# KiCad board SimulTypeUltraSemiMag.kicad_pcb (continued)
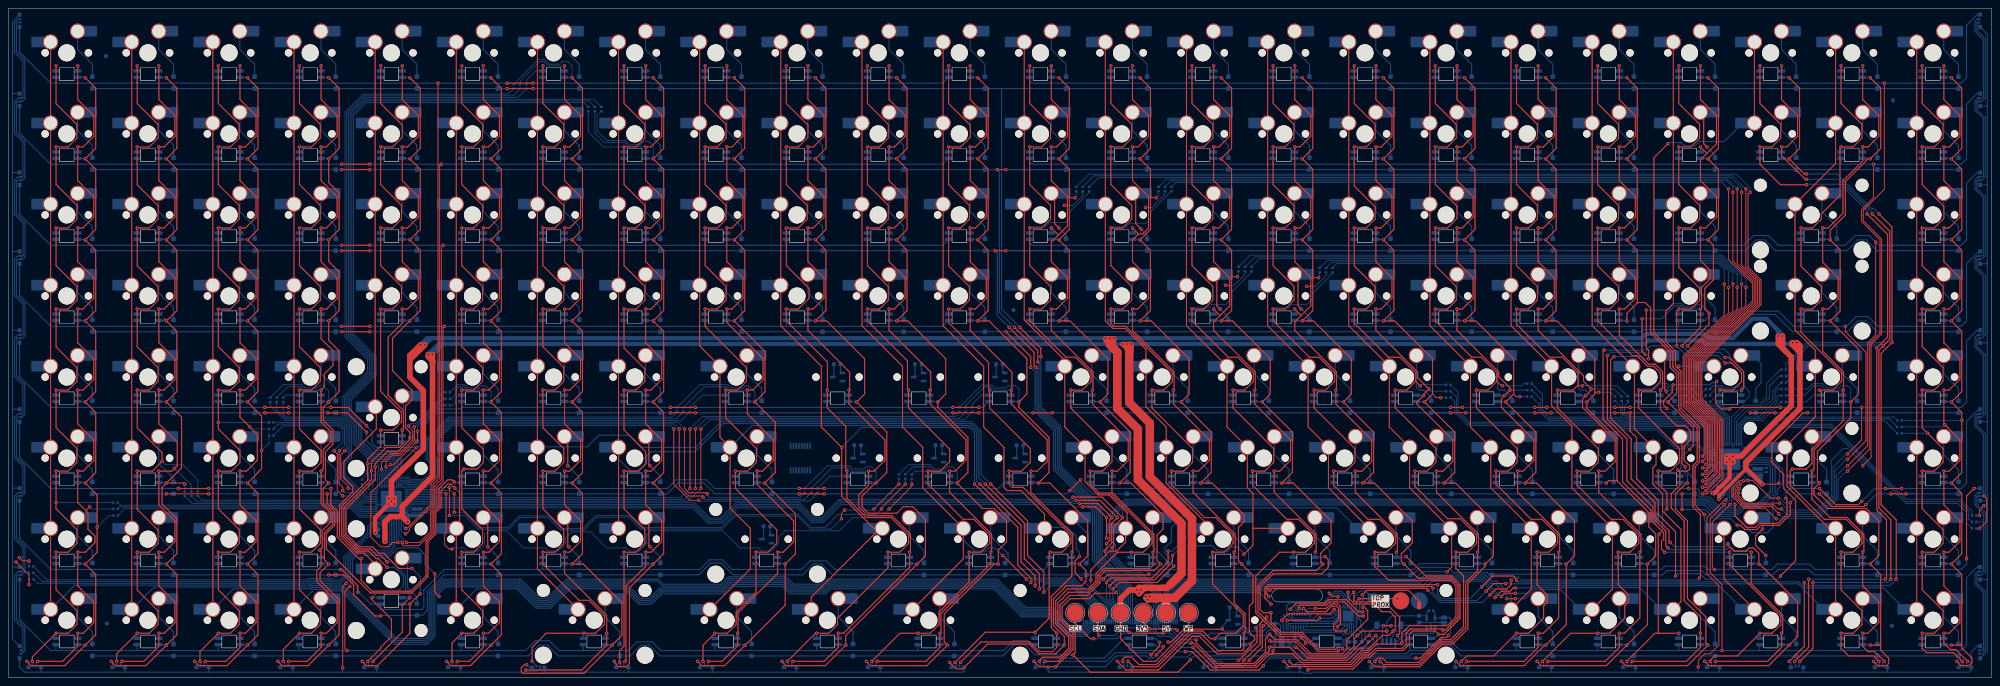
[diagram p0: board, top side]
## Nets
+3.3V: C3.1 C4.1 C14.1 C15.1 C16.1 C17.1 C18.1 C19.1 C20.1 C21.1 C22.1 C23.1 J1.28 J5.2 R100.1 TP2.1 U1.10 U1.12 U2.7 U3.4 U6.1 U7.16 U8.1 U9.1 U10.1 U11.1 U12.1 U13.1 U14.1
+5V: C6.1 C7.1 C8.1 C9.1 C10.1 C11.1 C12.1 C13.1 J1.29 J1.30 J1.31 TP1.1 U4.14 U4.15 U4.25 U5.8 U5.14 U5.15 U5.25
GND: C1.2 C3.2 C4.2 C5.1 C6.2 C7.2 C8.2 C9.2 C10.2 C11.2 C12.2 C13.2 C14.2 C15.2 C16.2 C17.2 C18.2 C19.2 C20.2 C21.2 C22.2 C23.2 J1.25 J1.26 J1.27 J5.1 J5.MP JP1.2 R101.1 R102.2 TP6.1 U1.6 U1.13 U2.8 U2.25 U3.2 U4.8 U4.12 U4.36 U4.55 U4.EP U5.12 U5.36 U5.55 U5.EP U6.3 U7.9 U7.11 U7.12 U7.13 U8.3 U9.3 U10.3 U11.3 U12.3 U13.3 U14.3
/AC1: C2.1 J2.8 U1.4
/AC2: C2.2 J2.10 U1.5
/APACLK: J1.32
/APANEODAT: J1.33
/B1c: LED181.3 LED182.3 LED183.3 LED184.3 LED185.3 LED186.3 LED187.3 LED188.3 LED189.3 R53.1
/B2c: LED1.3 LED25.3 LED49.3 LED72.3 LED95.3 LED118.3 LED139.3 LED161.3 LED190.3 R54.1
/B3c: LED2.3 LED26.3 LED50.3 LED73.3 LED96.3 LED119.3 LED140.3 LED162.3 LED191.3 R55.1
/B4c: LED3.3 LED27.3 LED51.3 LED74.3 LED97.3 LED120.3 LED141.3 LED163.3 LED192.3 R56.1
/B5c: LED4.3 LED28.3 LED52.3 LED75.3 LED98.3 LED121.3 LED142.3 LED164.3 LED193.3 R57.1
/B6c: LED5.3 LED29.3 LED53.3 LED76.3 LED99.3 LED143.3 LED194.3 R58.1
/B7c: LED6.3 LED30.3 LED54.3 LED77.3 LED100.3 LED122.3 LED144.3 LED165.3 LED195.3 R59.1
/B8c: LED7.3 LED31.3 LED55.3 LED78.3 LED101.3 LED123.3 LED145.3 LED166.3 LED196.3 R60.1
/B9c: LED8.3 LED32.3 LED56.3 LED79.3 LED102.3 LED124.3 LED146.3 LED197.3 R61.1
/B10c: LED9.3 LED33.3 LED57.3 LED80.3 LED103.3 LED125.3 LED147.3 LED167.3 LED198.3 R62.1
/B11c: LED10.3 LED34.3 LED58.3 LED81.3 LED104.3 LED126.3 LED148.3 LED168.3 LED199.3 R63.1
/B12c: LED11.3 LED35.3 LED59.3 LED82.3 LED105.3 LED127.3 LED149.3 LED169.3 LED200.3 R64.1
/B13c: LED12.3 LED36.3 LED60.3 LED83.3 LED106.3 LED128.3 LED150.3 LED177.3 LED201.3 R65.1
/B14c: LED13.3 LED37.3 LED61.3 LED84.3 LED107.3 LED129.3 LED151.3 LED178.3 LED202.3 R66.1
/B15c: LED14.3 LED38.3 LED62.3 LED85.3 LED108.3 LED130.3 LED152.3 LED170.3 LED203.3 R67.1
/B16c: LED15.3 LED39.3 LED63.3 LED86.3 LED109.3 LED131.3 LED153.3 LED179.3 LED204.3 R68.1
/B17c: LED16.3 LED40.3 LED64.3 LED87.3 LED110.3 LED132.3 LED154.3 LED180.3 LED205.3 R69.1
/B18c: LED17.3 LED41.3 LED65.3 LED88.3 LED111.3 LED133.3 LED155.3 LED206.3 R70.1
/B19c: LED18.3 LED42.3 LED66.3 LED89.3 LED112.3 LED134.3 LED156.3 LED171.3 LED207.3 R71.1
/B20c: LED19.3 LED43.3 LED67.3 LED90.3 LED113.3 LED135.3 LED157.3 LED172.3 LED208.3 R72.1
/B21c: LED20.3 LED44.3 LED68.3 LED91.3 LED114.3 LED136.3 LED173.3 LED209.3 R73.1
/B22c: LED21.3 LED45.3 LED69.3 LED92.3 LED115.3 LED158.3 LED174.3 LED210.3 R74.1
/B23c: LED22.3 LED46.3 LED211.3 R75.1
/B24c: LED23.3 LED47.3 LED70.3 LED93.3 LED116.3 LED137.3 LED159.3 LED175.3 LED212.3 R76.1
/B25c: LED24.3 LED48.3 LED71.3 LED94.3 LED117.3 LED138.3 LED160.3 LED176.3 LED213.3 R77.1
/B26c: LED214.3 LED215.3 LED216.3 LED217.3 LED218.3 LED219.3 LED220.3 LED221.3 LED222.3 R78.1
/G1c: LED181.2 LED182.2 LED183.2 LED184.2 LED185.2 LED186.2 LED187.2 LED188.2 LED189.2 R27.1
/G2c: LED1.2 LED25.2 LED49.2 LED72.2 LED95.2 LED118.2 LED139.2 LED161.2 LED190.2 R28.1
/G3c: LED2.2 LED26.2 LED50.2 LED73.2 LED96.2 LED119.2 LED140.2 LED162.2 LED191.2 R29.1
/G4c: LED3.2 LED27.2 LED51.2 LED74.2 LED97.2 LED120.2 LED141.2 LED163.2 LED192.2 R30.1
/G5c: LED4.2 LED28.2 LED52.2 LED75.2 LED98.2 LED121.2 LED142.2 LED164.2 LED193.2 R31.1
/G6c: LED5.2 LED29.2 LED53.2 LED76.2 LED99.2 LED143.2 LED194.2 R32.1
/G7c: LED6.2 LED30.2 LED54.2 LED77.2 LED100.2 LED122.2 LED144.2 LED165.2 LED195.2 R33.1
/G8c: LED7.2 LED31.2 LED55.2 LED78.2 LED101.2 LED123.2 LED145.2 LED166.2 LED196.2 R34.1
/G9c: LED8.2 LED32.2 LED56.2 LED79.2 LED102.2 LED124.2 LED146.2 LED197.2 R35.1
/G10c: LED9.2 LED33.2 LED57.2 LED80.2 LED103.2 LED125.2 LED147.2 LED167.2 LED198.2 R36.1
/G11c: LED10.2 LED34.2 LED58.2 LED81.2 LED104.2 LED126.2 LED148.2 LED168.2 LED199.2 R37.1
/G12c: LED11.2 LED35.2 LED59.2 LED82.2 LED105.2 LED127.2 LED149.2 LED169.2 LED200.2 R38.1
/G13c: LED12.2 LED36.2 LED60.2 LED83.2 LED106.2 LED128.2 LED150.2 LED177.2 LED201.2 R39.1
/G14c: LED13.2 LED37.2 LED61.2 LED84.2 LED107.2 LED129.2 LED151.2 LED178.2 LED202.2 R40.1
/G15c: LED14.2 LED38.2 LED62.2 LED85.2 LED108.2 LED130.2 LED152.2 LED170.2 LED203.2 R41.1
/G16c: LED15.2 LED39.2 LED63.2 LED86.2 LED109.2 LED131.2 LED153.2 LED179.2 LED204.2 R42.1
/G17c: LED16.2 LED40.2 LED64.2 LED87.2 LED110.2 LED132.2 LED154.2 LED180.2 LED205.2 R43.1
/G18c: LED17.2 LED41.2 LED65.2 LED88.2 LED111.2 LED133.2 LED155.2 LED206.2 R44.1
/G19c: LED18.2 LED42.2 LED66.2 LED89.2 LED112.2 LED134.2 LED156.2 LED171.2 LED207.2 R45.1
/G20c: LED19.2 LED43.2 LED67.2 LED90.2 LED113.2 LED135.2 LED157.2 LED172.2 LED208.2 R46.1
/G21c: LED20.2 LED44.2 LED68.2 LED91.2 LED114.2 LED136.2 LED173.2 LED209.2 R47.1
/G22c: LED21.2 LED45.2 LED69.2 LED92.2 LED115.2 LED158.2 LED174.2 LED210.2 R48.1
/G23c: LED22.2 LED46.2 LED211.2 R49.1
/G24c: LED23.2 LED47.2 LED70.2 LED93.2 LED116.2 LED137.2 LED159.2 LED175.2 LED212.2 R50.1
/G25c: LED24.2 LED48.2 LED71.2 LED94.2 LED117.2 LED138.2 LED160.2 LED176.2 LED213.2 R51.1
/G26c: LED214.2 LED215.2 LED216.2 LED217.2 LED218.2 LED219.2 LED220.2 LED221.2 LED222.2 R52.1
/GUARD: J2.9 U2.19
/INT: J1.36 TP7.1 U1.11 U2.23 U4.7 U5.7
/ISETL: R101.2 U4.13
/ISETR: R102.1 U5.13
/LEDOFF: J1.37 U4.11 U5.11
/PBOT: J4.1 U2.2
/PTOP: J3.1 U2.1
/R1c: LED181.1 LED182.1 LED183.1 LED184.1 LED185.1 LED186.1 LED187.1 LED188.1 LED189.1 R1.1
/R2c: LED1.1 LED25.1 LED49.1 LED72.1 LED95.1 LED118.1 LED139.1 LED161.1 LED190.1 R2.1
/R3c: LED2.1 LED26.1 LED50.1 LED73.1 LED96.1 LED119.1 LED140.1 LED162.1 LED191.1 R3.1
/R4c: LED3.1 LED27.1 LED51.1 LED74.1 LED97.1 LED120.1 LED141.1 LED163.1 LED192.1 R4.1
/R5c: LED4.1 LED28.1 LED52.1 LED75.1 LED98.1 LED121.1 LED142.1 LED164.1 LED193.1 R5.1
/R6c: LED5.1 LED29.1 LED53.1 LED76.1 LED99.1 LED143.1 LED194.1 R6.1
/R7c: LED6.1 LED30.1 LED54.1 LED77.1 LED100.1 LED122.1 LED144.1 LED165.1 LED195.1 R7.1
/R8c: LED7.1 LED31.1 LED55.1 LED78.1 LED101.1 LED123.1 LED145.1 LED166.1 LED196.1 R8.1
/R9c: LED8.1 LED32.1 LED56.1 LED79.1 LED102.1 LED124.1 LED146.1 LED197.1 R9.1
/R10c: LED9.1 LED33.1 LED57.1 LED80.1 LED103.1 LED125.1 LED147.1 LED167.1 LED198.1 R10.1
/R11c: LED10.1 LED34.1 LED58.1 LED81.1 LED104.1 LED126.1 LED148.1 LED168.1 LED199.1 R11.1
/R12c: LED11.1 LED35.1 LED59.1 LED82.1 LED105.1 LED127.1 LED149.1 LED169.1 LED200.1 R12.1
/R13c: LED12.1 LED36.1 LED60.1 LED83.1 LED106.1 LED128.1 LED150.1 LED177.1 LED201.1 R13.1
/R14c: LED13.1 LED37.1 LED61.1 LED84.1 LED107.1 LED129.1 LED151.1 LED178.1 LED202.1 R14.1
/R15c: LED14.1 LED38.1 LED62.1 LED85.1 LED108.1 LED130.1 LED152.1 LED170.1 LED203.1 R15.1
/R16c: LED15.1 LED39.1 LED63.1 LED86.1 LED109.1 LED131.1 LED153.1 LED179.1 LED204.1 R16.1
/R17c: LED16.1 LED40.1 LED64.1 LED87.1 LED110.1 LED132.1 LED154.1 LED180.1 LED205.1 R17.1
/R18c: LED17.1 LED41.1 LED65.1 LED88.1 LED111.1 LED133.1 LED155.1 LED206.1 R18.1
/R19c: LED18.1 LED42.1 LED66.1 LED89.1 LED112.1 LED134.1 LED156.1 LED171.1 LED207.1 R19.1
/R20c: LED19.1 LED43.1 LED67.1 LED90.1 LED113.1 LED135.1 LED157.1 LED172.1 LED208.1 R20.1
/R21c: LED20.1 LED44.1 LED68.1 LED91.1 LED114.1 LED136.1 LED173.1 LED209.1 R21.1
/R22c: LED21.1 LED45.1 LED69.1 LED92.1 LED115.1 LED158.1 LED174.1 LED210.1 R22.1
/R23c: LED22.1 LED46.1 LED211.1 R23.1
/R24c: LED23.1 LED47.1 LED70.1 LED93.1 LED116.1 LED137.1 LED159.1 LED175.1 LED212.1 R24.1
/R25c: LED24.1 LED48.1 LED71.1 LED94.1 LED117.1 LED138.1 LED160.1 LED176.1 LED213.1 R25.1
/R26c: LED214.1 LED215.1 LED216.1 LED217.1 LED218.1 LED219.1 LED220.1 LED221.1 LED222.1 R26.1
/SCL: J1.35 J5.4 TP3.1 U1.8 U2.22 U3.1 U4.10 U5.10 U7.14
/SDA: J1.34 J5.3 TP4.1 U1.7 U2.21 U3.3 U4.9 U5.9 U7.15
/SHIELD: J2.1 J2.17 U2.20
/SLDL1: J2.16 U2.13
/SLDL2: J2.15 U2.12
/SLDL3: J2.14 U2.11
/SLDL4: J2.13 U2.10
/SLDL5: J2.12 U2.9
/SLDR1: J2.2 U2.14
/SLDR2: J2.3 U2.15
/SLDR3: J2.4 U2.16
/SLDR4: J2.5 U2.17
/SLDR5: J2.6 U2.18
/TOPL: J2.7 U2.3
/TOPR: J2.11 U2.4
/WP: JP1.1 R100.2 TP5.1 U3.5
B1: R53.2 U4.28
B2: R54.2 U4.31
B3: R55.2 U4.34
B4: R56.2 U4.38
B5: R57.2 U4.41
B6: R58.2 U4.44
B7: R59.2 U4.47
B8: R60.2 U4.50
B9: R61.2 U4.53
B10: R62.2 U4.57
B11: R63.2 U4.60
B12: R64.2 U4.3
B13: R65.2 U4.6
B14: R66.2 U5.28
B15: R67.2 U5.31
B16: R68.2 U5.34
B17: R69.2 U5.38
B18: R70.2 U5.41
B19: R71.2 U5.44
B20: R72.2 U5.47
B21: R73.2 U5.50
B22: R74.2 U5.53
B23: R75.2 U5.57
B24: R76.2 U5.60
B25: R77.2 U5.3
B26: R78.2 U5.6
COL1: J1.45 SW24.1 SW48.1 SW71.1 SW94.1 SW117.1 SW138.1 SW160.1 SW176.1
COL2: J1.44 SW23.1 SW47.1 SW70.1 SW93.1 SW116.1 SW137.1 SW159.1 SW175.1
COL3: J1.43 SW22.1 SW46.1
COL4: J1.42 SW21.1 SW45.1 SW69.1 SW92.1 SW115.1 SW158.1 SW174.1
COL5: J1.41 SW20.1 SW44.1 SW68.1 SW91.1 SW114.1 SW136.1 SW173.1
COL6: J1.40 SW19.1 SW43.1 SW67.1 SW90.1 SW113.1 SW135.1 SW157.1 SW172.1
COL7: J1.39 SW18.1 SW42.1 SW66.1 SW89.1 SW112.1 SW134.1 SW156.1 SW171.1
COL8: J1.38 SW17.1 SW41.1 SW65.1 SW88.1 SW111.1 SW133.1 SW155.1
COL9: J1.16 SW16.1 SW40.1 SW64.1 SW87.1 SW110.1 SW132.1 SW154.1
COL10: J1.15 SW15.1 SW39.1 SW63.1 SW86.1 SW109.1 SW131.1 SW153.1
COL11: J1.14 SW14.1 SW38.1 SW62.1 SW85.1 SW108.1 SW130.1 SW152.1
COL12: J1.13 SW13.1 SW37.1 SW61.1 SW84.1 SW107.1 SW129.1 SW151.1
COL13: J1.12 SW12.1 SW36.1 SW60.1 SW83.1 SW150.1
COL14: J1.11 SW11.1 SW35.1 SW59.1 SW82.1 SW149.1 SW169.1
COL15: J1.10 SW10.1 SW34.1 SW58.1 SW81.1 SW148.1 SW168.1
COL16: J1.9 SW9.1 SW33.1 SW57.1 SW80.1 SW103.1 SW125.1 SW167.1
COL17: J1.8 SW8.1 SW32.1 SW56.1 SW79.1 SW102.1 SW124.1 SW146.1
COL18: J1.7 SW7.1 SW31.1 SW55.1 SW78.1 SW101.1 SW123.1 SW145.1 SW166.1
COL19: J1.6 SW6.1 SW30.1 SW54.1 SW77.1 SW100.1 SW122.1 SW144.1 SW165.1
COL20: J1.5 SW5.1 SW29.1 SW53.1 SW76.1 SW99.1 SW143.1
COL21: J1.4 SW4.1 SW28.1 SW52.1 SW75.1 SW98.1 SW121.1 SW142.1 SW164.1
COL22: J1.3 SW3.1 SW27.1 SW51.1 SW74.1 SW97.1 SW120.1 SW141.1 SW163.1
COL23: J1.2 SW2.1 SW26.1 SW50.1 SW73.1 SW96.1 SW119.1 SW140.1 SW162.1
COL24: J1.1 SW1.1 SW25.1 SW49.1 SW72.1 SW95.1 SW118.1 SW139.1 SW161.1
G1: R27.2 U4.27
G2: R28.2 U4.30
G3: R29.2 U4.33
G4: R30.2 U4.37
G5: R31.2 U4.40
G6: R32.2 U4.43
G7: R33.2 U4.46
G8: R34.2 U4.49
G9: R35.2 U4.52
G10: R36.2 U4.56
G11: R37.2 U4.59
G12: R38.2 U4.2
G13: R39.2 U4.5
G14: R40.2 U5.27
G15: R41.2 U5.30
G16: R42.2 U5.33
G17: R43.2 U5.37
G18: R44.2 U5.40
G19: R45.2 U5.43
G20: R46.2 U5.46
G21: R47.2 U5.49
G22: R48.2 U5.52
G23: R49.2 U5.56
G24: R50.2 U5.59
G25: R51.2 U5.2
G26: R52.2 U5.5
R1: R1.2 U4.26
R2: R2.2 U4.29
R3: R3.2 U4.32
R4: R4.2 U4.35
R5: R5.2 U4.39
R6: R6.2 U4.42
R7: R7.2 U4.45
R8: R8.2 U4.48
R9: R9.2 U4.51
R10: R10.2 U4.54
R11: R11.2 U4.58
R12: R12.2 U4.1
R13: R13.2 U4.4
R14: R14.2 U5.26
R15: R15.2 U5.29
R16: R16.2 U5.32
R17: R17.2 U5.35
R18: R18.2 U5.39
R19: R19.2 U5.42
R20: R20.2 U5.45
R21: R21.2 U5.48
R22: R22.2 U5.51
R23: R23.2 U5.54
R24: R24.2 U5.58
R25: R25.2 U5.1
R26: R26.2 U5.4
ROW1: D1.1 D2.1 D3.1 D4.1 D5.1 D6.1 D7.1 D8.1 D9.1 D10.1 D11.1 D12.1 D13.1 D14.1 D15.1 D16.1 D17.1 D18.1 D19.1 D20.1 D21.1 D22.1 D23.1 D24.1 J1.24
ROW2: D25.1 D26.1 D27.1 D28.1 D29.1 D30.1 D31.1 D32.1 D33.1 D34.1 D35.1 D36.1 D37.1 D38.1 D39.1 D40.1 D41.1 D42.1 D43.1 D44.1 D45.1 D46.1 D47.1 D48.1 J1.23
ROW3: D49.1 D50.1 D51.1 D52.1 D53.1 D54.1 D55.1 D56.1 D57.1 D58.1 D59.1 D60.1 D61.1 D62.1 D63.1 D64.1 D65.1 D66.1 D67.1 D68.1 D69.1 D70.1 D71.1 J1.22
ROW4: D72.1 D73.1 D74.1 D75.1 D76.1 D77.1 D78.1 D79.1 D80.1 D81.1 D82.1 D83.1 D84.1 D85.1 D86.1 D87.1 D88.1 D89.1 D90.1 D91.1 D92.1 D93.1 D94.1 J1.21
ROW5: D95.1 D96.1 D97.1 D98.1 D99.1 D100.1 D101.1 D102.1 D103.1 D107.1 D108.1 D109.1 D110.1 D111.1 D112.1 D113.1 D114.1 D115.1 D116.1 D117.1 J1.20
ROW6: D118.1 D119.1 D120.1 D121.1 D122.1 D123.1 D124.1 D125.1 D129.1 D130.1 D131.1 D132.1 D133.1 D134.1 D135.1 D136.1 D137.1 D138.1 J1.19
ROW7: D139.1 D140.1 D141.1 D142.1 D143.1 D144.1 D145.1 D146.1 D148.1 D149.1 D150.1 D151.1 D152.1 D153.1 D154.1 D155.1 D156.1 D157.1 D158.1 D159.1 D160.1 J1.18
ROW8: D161.1 D162.1 D163.1 D164.1 D165.1 D166.1 D167.1 D168.1 D169.1 D171.1 D172.1 D173.1 D174.1 D175.1 D176.1 J1.17
SW1_L: LED1.4 LED2.4 LED3.4 LED4.4 LED5.4 LED6.4 LED7.4 LED8.4 LED9.4 LED10.4 LED11.4 LED12.4 LED181.4 U4.16
SW1_R: LED13.4 LED14.4 LED15.4 LED16.4 LED17.4 LED18.4 LED19.4 LED20.4 LED21.4 LED22.4 LED23.4 LED24.4 LED222.4 U5.16
SW2_L: LED25.4 LED26.4 LED27.4 LED28.4 LED29.4 LED30.4 LED31.4 LED32.4 LED33.4 LED34.4 LED35.4 LED36.4 LED182.4 U4.17
SW2_R: LED37.4 LED38.4 LED39.4 LED40.4 LED41.4 LED42.4 LED43.4 LED44.4 LED45.4 LED46.4 LED47.4 LED48.4 LED221.4 U5.17
SW3_L: LED49.4 LED50.4 LED51.4 LED52.4 LED53.4 LED54.4 LED55.4 LED56.4 LED57.4 LED58.4 LED59.4 LED60.4 LED183.4 U4.18
SW3_R: LED61.4 LED62.4 LED63.4 LED64.4 LED65.4 LED66.4 LED67.4 LED68.4 LED69.4 LED70.4 LED71.4 LED220.4 U5.18
SW4_L: LED72.4 LED73.4 LED74.4 LED75.4 LED76.4 LED77.4 LED78.4 LED79.4 LED80.4 LED81.4 LED82.4 LED83.4 LED184.4 U4.19
SW4_R: LED84.4 LED85.4 LED86.4 LED87.4 LED88.4 LED89.4 LED90.4 LED91.4 LED92.4 LED93.4 LED94.4 LED219.4 U5.19
SW5_L: LED95.4 LED96.4 LED97.4 LED98.4 LED99.4 LED100.4 LED101.4 LED102.4 LED103.4 LED104.4 LED105.4 LED106.4 LED185.4 U4.20
SW5_R: LED107.4 LED108.4 LED109.4 LED110.4 LED111.4 LED112.4 LED113.4 LED114.4 LED115.4 LED116.4 LED117.4 LED218.4 U5.20
SW6_L: LED118.4 LED119.4 LED120.4 LED121.4 LED122.4 LED123.4 LED124.4 LED125.4 LED126.4 LED127.4 LED128.4 LED186.4 U4.21
SW6_R: LED129.4 LED130.4 LED131.4 LED132.4 LED133.4 LED134.4 LED135.4 LED136.4 LED137.4 LED138.4 LED217.4 U5.21
SW7_L: LED139.4 LED140.4 LED141.4 LED142.4 LED143.4 LED144.4 LED145.4 LED146.4 LED147.4 LED148.4 LED149.4 LED150.4 LED187.4 U4.22
SW7_R: LED151.4 LED152.4 LED153.4 LED154.4 LED155.4 LED156.4 LED157.4 LED158.4 LED159.4 LED160.4 LED216.4 U5.22
SW8_L: LED161.4 LED162.4 LED163.4 LED164.4 LED165.4 LED166.4 LED167.4 LED168.4 LED169.4 LED177.4 LED188.4 U4.23
SW8_R: LED170.4 LED171.4 LED172.4 LED173.4 LED174.4 LED175.4 LED176.4 LED178.4 LED179.4 LED180.4 LED215.4 U5.23
SW9_L: LED189.4 LED190.4 LED191.4 LED192.4 LED193.4 LED194.4 LED195.4 LED196.4 LED197.4 LED198.4 LED199.4 LED200.4 LED201.4 U4.24
SW9_R: LED202.4 LED203.4 LED204.4 LED205.4 LED206.4 LED207.4 LED208.4 LED209.4 LED210.4 LED211.4 LED212.4 LED213.4 LED214.4 U5.24
Net-(D1-A): D1.2 SW1.2
Net-(D2-A): D2.2 SW2.2
Net-(D3-A): D3.2 SW3.2
Net-(D4-A): D4.2 SW4.2
Net-(D5-A): D5.2 SW5.2
Net-(D6-A): D6.2 SW6.2
Net-(D7-A): D7.2 SW7.2
Net-(D8-A): D8.2 SW8.2
Net-(D9-A): D9.2 SW9.2
Net-(D10-A): D10.2 SW10.2
Net-(D11-A): D11.2 SW11.2
Net-(D12-A): D12.2 SW12.2
Net-(D13-A): D13.2 SW13.2
Net-(D14-A): D14.2 SW14.2
Net-(D15-A): D15.2 SW15.2
Net-(D16-A): D16.2 SW16.2
Net-(D17-A): D17.2 SW17.2
Net-(D18-A): D18.2 SW18.2
Net-(D19-A): D19.2 SW19.2
Net-(D20-A): D20.2 SW20.2
Net-(D21-A): D21.2 SW21.2
Net-(D22-A): D22.2 SW22.2
Net-(D23-A): D23.2 SW23.2
Net-(D24-A): D24.2 SW24.2
Net-(D25-A): D25.2 SW25.2
Net-(D26-A): D26.2 SW26.2
Net-(D27-A): D27.2 SW27.2
Net-(D28-A): D28.2 SW28.2
Net-(D29-A): D29.2 SW29.2
Net-(D30-A): D30.2 SW30.2
Net-(D31-A): D31.2 SW31.2
Net-(D32-A): D32.2 SW32.2
Net-(D33-A): D33.2 SW33.2
Net-(D34-A): D34.2 SW34.2
Net-(D35-A): D35.2 SW35.2
Net-(D36-A): D36.2 SW36.2
Net-(D37-A): D37.2 SW37.2
Net-(D38-A): D38.2 SW38.2
Net-(D39-A): D39.2 SW39.2
Net-(D40-A): D40.2 SW40.2
Net-(D41-A): D41.2 SW41.2
Net-(D42-A): D42.2 SW42.2
Net-(D43-A): D43.2 SW43.2
Net-(D44-A): D44.2 SW44.2
Net-(D45-A): D45.2 SW45.2
Net-(D46-A): D46.2 SW46.2
Net-(D47-A): D47.2 SW47.2
Net-(D48-A): D48.2 SW48.2
Net-(D49-A): D49.2 SW49.2
Net-(D50-A): D50.2 SW50.2
Net-(D51-A): D51.2 SW51.2
Net-(D52-A): D52.2 SW52.2
Net-(D53-A): D53.2 SW53.2
Net-(D54-A): D54.2 SW54.2
Net-(D55-A): D55.2 SW55.2
Net-(D56-A): D56.2 SW56.2
Net-(D57-A): D57.2 SW57.2
Net-(D58-A): D58.2 SW58.2
Net-(D59-A): D59.2 SW59.2
Net-(D60-A): D60.2 SW60.2
Net-(D61-A): D61.2 SW61.2
Net-(D62-A): D62.2 SW62.2
Net-(D63-A): D63.2 SW63.2
Net-(D64-A): D64.2 SW64.2
Net-(D65-A): D65.2 SW65.2
Net-(D66-A): D66.2 SW66.2
Net-(D67-A): D67.2 SW67.2
Net-(D68-A): D68.2 SW68.2
Net-(D69-A): D69.2 SW69.2
Net-(D70-A): D70.2 SW70.2
Net-(D71-A): D71.2 SW71.2
Net-(D72-A): D72.2 SW72.2
Net-(D73-A): D73.2 SW73.2
Net-(D74-A): D74.2 SW74.2
Net-(D75-A): D75.2 SW75.2
Net-(D76-A): D76.2 SW76.2
Net-(D77-A): D77.2 SW77.2
Net-(D78-A): D78.2 SW78.2
Net-(D79-A): D79.2 SW79.2
Net-(D80-A): D80.2 SW80.2
Net-(D81-A): D81.2 SW81.2
Net-(D82-A): D82.2 SW82.2
Net-(D83-A): D83.2 SW83.2
Net-(D84-A): D84.2 SW84.2
Net-(D85-A): D85.2 SW85.2
Net-(D86-A): D86.2 SW86.2
Net-(D87-A): D87.2 SW87.2
Net-(D88-A): D88.2 SW88.2
Net-(D89-A): D89.2 SW89.2
Net-(D90-A): D90.2 SW90.2
Net-(D91-A): D91.2 SW91.2
Net-(D92-A): D92.2 SW92.2
Net-(D93-A): D93.2 SW93.2
Net-(D94-A): D94.2 SW94.2
Net-(D95-A): D95.2 SW95.2
Net-(D96-A): D96.2 SW96.2
Net-(D97-A): D97.2 SW97.2
Net-(D98-A): D98.2 SW98.2
Net-(D99-A): D99.2 SW99.2
Net-(D100-A): D100.2 SW100.2
Net-(D101-A): D101.2 SW101.2
Net-(D102-A): D102.2 SW102.2
Net-(D103-A): D103.2 SW103.2
Net-(D107-A): D107.2 SW107.2
Net-(D108-A): D108.2 SW108.2
Net-(D109-A): D109.2 SW109.2
Net-(D110-A): D110.2 SW110.2
Net-(D111-A): D111.2 SW111.2
Net-(D112-A): D112.2 SW112.2
Net-(D113-A): D113.2 SW113.2
Net-(D114-A): D114.2 SW114.2
Net-(D115-A): D115.2 SW115.2
Net-(D116-A): D116.2 SW116.2
Net-(D117-A): D117.2 SW117.2
Net-(D118-A): D118.2 SW118.2
Net-(D119-A): D119.2 SW119.2
Net-(D120-A): D120.2 SW120.2
Net-(D121-A): D121.2 SW121.2
Net-(D122-A): D122.2 SW122.2
Net-(D123-A): D123.2 SW123.2
Net-(D124-A): D124.2 SW124.2
Net-(D125-A): D125.2 SW125.2
Net-(D129-A): D129.2 SW129.2
Net-(D130-A): D130.2 SW130.2
Net-(D131-A): D131.2 SW131.2
Net-(D132-A): D132.2 SW132.2
Net-(D133-A): D133.2 SW133.2
Net-(D134-A): D134.2 SW134.2
Net-(D135-A): D135.2 SW135.2
Net-(D136-A): D136.2 SW136.2
Net-(D137-A): D137.2 SW137.2
Net-(D138-A): D138.2 SW138.2
Net-(D139-A): D139.2 SW139.2
Net-(D140-A): D140.2 SW140.2
Net-(D141-A): D141.2 SW141.2
Net-(D142-A): D142.2 SW142.2
Net-(D143-A): D143.2 SW143.2
Net-(D144-A): D144.2 SW144.2
Net-(D145-A): D145.2 SW145.2
Net-(D146-A): D146.2 SW146.2
Net-(D148-A): D148.2 SW148.2
Net-(D149-A): D149.2 SW149.2
Net-(D150-A): D150.2 SW150.2
Net-(D151-A): D151.2 SW151.2
Net-(D152-A): D152.2 SW152.2
Net-(D153-A): D153.2 SW153.2
Net-(D154-A): D154.2 SW154.2
Net-(D155-A): D155.2 SW155.2
Net-(D156-A): D156.2 SW156.2
Net-(D157-A): D157.2 SW157.2
Net-(D158-A): D158.2 SW158.2
Net-(D159-A): D159.2 SW159.2
Net-(D160-A): D160.2 SW160.2
Net-(D161-A): D161.2 SW161.2
Net-(D162-A): D162.2 SW162.2
Net-(D163-A): D163.2 SW163.2
Net-(D164-A): D164.2 SW164.2
Net-(D165-A): D165.2 SW165.2
Net-(D166-A): D166.2 SW166.2
Net-(D167-A): D167.2 SW167.2
Net-(D168-A): D168.2 SW168.2
Net-(D169-A): D169.2 SW169.2
Net-(D171-A): D171.2 SW171.2
Net-(D172-A): D172.2 SW172.2
Net-(D173-A): D173.2 SW173.2
Net-(D174-A): D174.2 SW174.2
Net-(D175-A): D175.2 SW175.2
Net-(D176-A): D176.2 SW176.2
Net-(U2-CMOD): C1.1 U2.5
Net-(U2-VCC): C5.2 U2.6
Net-(U6-VOUT): U6.2 U7.1
Net-(U7-CH1): U7.2 U8.2
Net-(U7-CH2): U7.3 U9.2
Net-(U10-VOUT): U7.4 U10.2
Net-(U11-VOUT): U7.5 U11.2
Net-(U12-VOUT): U7.6 U12.2
Net-(U13-VOUT): U7.7 U13.2
Net-(U14-VOUT): U7.8 U14.2

Pads without a net: J1 MP; J2 MP; U1 1 2 3 9; U2 24; U7 10

## Via types
v1: diameter 0.8, hole 0.4, Top to Bottom, 1066 vias

## Routing (per net, layer and track width the routed paths; a pad name or vN(x,y) marks a point on that pad's centre or on a via; arc(x,y) is an arc through that point)
+3.3V: length 117.6
  Top w0.25: v1(296.15,8.62) 296.41,8.36 302.25,8.36 305.55,5.06 313.68,5.06 315.96,7.35 315.96,9.12 v1(316.73,9.89) 317.74,10.9 v1(323.59,10.9) ; v1(274.37,11.1) 274.06,11.41 v1(267.96,11.41) 266.43,12.94 TP2.1
  Bottom w0.25: 195.8,71.56 195.33,72.03 C16.1 ; U1.12 297.43,11.13 C3.1 295.88,11.14 295.39,10.65 295.39,9.89 ; J5.2 v1(323.59,10.9) 323.59,13.2 324.88,14.48 C14.1 332.98,14.48 332.98,15.24 333.49,15.74 ; C19.1 200.14,52.93 200.56,52.51 ; C22.1 178.82,33.77 U8.1 ; C23.1 288.29,14.79 U12.1 ; v1(316.73,9.89) 315.8,9.89 ; 315.8,9.89 315.8,8.79 C15.1 C4.1 ; 315.8,9.89 U2.7 ; 219.61,52.51 219.19,52.93 C20.1 ; 233.9,71.56 233.43,72.03 C18.1 ; C17.1 214.38,72.03 214.85,71.56 ; 295.39,9.89 291.58,9.89 291.07,10.39 291.07,10.4 290.32,11.16 289.55,11.16 288.79,10.39 282.18,10.39 281.67,9.89 275.59,9.89 v1(274.37,11.1) ; 295.39,9.89 295.39,9.38 v1(296.15,8.62) 296.16,8.61 U1.10 ; C21.1 238.24,52.93 238.66,52.51 ; v1(267.96,11.41) 266.66,11.41 265.89,12.18 J1.28
+5V: length 578.2
  Top w0.2: v1(411.72,45.45) 415.39,45.45 v1(415.65,45.71)
  Top w0.8: v1(401.56,41.89) 401.56,42.65 407.91,49 407.91,49.26
  Top w1: v1(411.72,45.45) 407.91,49.26 ; v1(263.64,78.39) 263.64,77.2 263.13,76.69 261.61,78.21 v1(261.61,78.39) v1(263.64,78.39)
  Top w1.3: 267.22,19.05 268.72,19.05 ; 268.72,19.05 269.65,19.05 269.99,18.72 269.53,18.26 v1(267.46,18.26) ; 268.72,19.05 268.26,19.05 v1(267.46,18.26) ; 92.44,37.83 92.44,40.19 99.56,47.3 99.56,73.89 ; 92.44,37.83 89.65,37.83 88.38,36.56 v1(88.38,31.98) ; 92.44,37.83 v1(93.71,36.56) ; 420.61,76.43 420.61,63.23 407.91,50.53 407.91,49.26 ; 420.61,76.43 418.83,78.21 v1(418.83,78.72) ; 420.61,76.43 420.61,77.96 v1(419.85,78.72) ; 99.56,73.89 99.56,74.4 98.54,75.42 v1(98.54,75.93) ; 99.56,73.89 v1(99.56,75.93) ; 267,18.71 v1(267.46,18.26)
  Top w2: 271.77,18.72 TP1.1 ; 271.77,18.72 269.99,18.72 ; 271.77,18.72 273.87,18.72 277.86,22.71 277.86,37.32 267.96,47.22 267.96,59.81 263.13,64.63 263.13,77.88
  Bottom w0.2: 88.6,34.98 C7.1 88.39,35.85 89.1,36.56 U4.25 ; U5.8 413.7,51.29 415.79,49.2 415.79,45.84 v1(415.65,45.71) ; U5.25 403.3,45.4 C10.1
  Bottom w0.25: 266.89,14.21 267.39,14.71 ; 267.39,14.71 267.39,14.77 267.2,14.97 ; 267.39,14.71 J1.31 J1.30 J1.29 266.39,14.42 266.69,14.71
  Bottom w0.8: C10.1 C11.1 402.84,43.17 v1(401.56,41.89) ; C13.1 411.47,45.45 ; U4.15 93.87,38.07 C9.1 C8.1 ; U5.15 407.92,48.49 408.94,47.47 C12.1 409.94,47.22
  Bottom w0.9: C12.1 C13.1
  Bottom w1: 418.07,78.39 419.52,78.39 v1(419.85,78.72) v1(418.83,78.72) 418.5,78.39 418.07,78.39 ; 418.07,78.39 398.51,78.39 397.67,79.23 385.05,79.23 384.21,78.39 v1(263.64,78.39) v1(262.62,78.39) v1(261.61,78.39) 102.02,78.39 ; 410.71,46.46 v1(411.72,45.45) ; 102.02,78.39 101,78.39 v1(98.54,75.93) v1(99.56,75.93) 102.02,78.39 ; v1(93.71,36.56) 93.71,37.91 93.87,38.07 ; C7.1 C6.1
  Bottom w1.2: J1.30 266.89,14.21
  Bottom w1.3: 409.94,47.22 v1(411.72,45.45) ; C6.1 88.38,33.24 v1(88.38,31.98)
  vias: v1(267,19.07) v1(267.94,19.05)
GND: length 749
  Top w0.25: v1(319.52,9.89) 319.27,9.89 313.93,4.55 305.04,4.55 302.51,7.08 v1(302.26,7.08) ; v1(322.82,12.17) v1(324.6,12.17) ; TP6.1 261.1,9.12 266.43,3.79 269.32,3.79 276.88,11.35 284.92,11.35 v1(284.98,11.41)
  Top w1: v1(259.58,79.74) 259.58,79.23 258.56,78.21 ; v1(259.58,79.74) v1(257.54,79.74) 257.54,79.23 258.56,78.21 ; v1(259.58,79.74) 259.58,77.2 ; v1(404.1,51.29) 404.1,46.97 400.47,43.34 v1(400.09,43.34) ; 258.56,78.21 v1(258.56,79.74) ; v1(89.9,41.38) 86.06,37.54 86.06,34.04 v1(86.08,34.02)
  Top w1.3: v1(89.3,42.1) 90.53,42.1 v1(90.56,42.07) v1(90.56,40.76) v1(89.27,40.76) 89.27,42.08 v1(89.3,42.1) ; v1(89.3,42.1) 89.9,41.5 v1(89.9,41.38) 89.9,46.21 97.4,53.7 97.4,67.42 94.22,70.59 94.22,74.66 ; TP6.1 261.1,18.52 263.13,20.55 264.4,20.55 ; v1(96.76,78.21) 94.22,75.67 94.22,74.66 ; v1(97.78,78.21) 94.22,74.66 ; v1(416.55,80.24) 416.55,77.36 417.26,76.64 ; 417.26,76.64 415.53,78.38 v1(415.53,80.24) ; 417.26,76.64 418.58,75.33 418.58,63.86 406.69,51.98 v1(404.83,51.98) ; 267.45,21.06 270.75,21.06 ; 267.45,21.06 266.43,21.06 v1(265.93,20.55) 264.4,20.55 ; 267.45,21.06 266.81,21.06 v1(265.46,19.71) 264.62,20.55 264.4,20.55 ; v1(404.83,51.98) 404.83,50.62 v1(404.82,50.61) 403.46,50.61 403.46,51.98 v1(404.83,51.98)
  Top w1.5: v1(264.94,20.57) 265.43,21.06 272.02,21.06 ; 270.75,21.06 272.02,21.06 ; 272.02,21.06 272.78,21.82
  Top w2: 258.56,78.21 260.34,76.43 260.34,63.23 265.16,58.4 265.16,46.46 275.4,36.23 275.4,24.44 272.78,21.82
  Bottom w0.2: C8.2 97,39.86 R101.1 ; v1(89.9,41.38) 91.5,39.78 U4.12 94.82,39.78 94.98,39.62 ; v1(89.9,41.38) 90.7,42.18 U4.55 ; v1(89.9,41.38) 89.1,40.58 U4.36 ; v1(89.9,41.38) U4.8 ; C12.2 409.27,49.69 U5.12 405.7,49.69 v1(404.1,51.29) ; U5.36 403.3,50.49 v1(404.1,51.29) ; U5.55 404.9,52.09 v1(404.1,51.29) ; 400.17,43.41 v1(400.09,43.34) ; R102.2 411.71,49.26 C13.2
  Bottom w0.25: 334,12.94 336.92,12.94 337.05,12.81 ; 334,12.94 333.93,12.87 U3.2 ; 334,12.94 C14.2 330.54,12.27 J5.MP 326.79,12.17 v1(324.6,12.17) ; C16.2 193.78,70.87 U6.3 ; C23.2 286.74,13.81 U12.3 284.98,12.05 v1(284.98,11.41) 285.48,10.9 288.53,10.9 289.29,11.66 290.56,11.66 291.33,10.9 294.63,10.9 296.42,12.69 C3.2 298.17,12.69 298.69,12.17 298.69,8.62 U1.13 299.47,7.83 299.47,7.11 U1.6 302.23,7.11 v1(302.26,7.08) ; U13.3 217.64,51.87 C20.2 ; U9.3 236.69,51.87 C21.2 ; C22.2 177.27,32.93 U8.3 ; U2.25 315.3,13.71 U2.8 315.3,9.91 314.77,9.38 314.19,9.38 313.79,8.98 313.79,7.73 C4.2 C1.2 320.54,8.1 320.54,8.87 v1(319.52,9.89) 319.52,10.5 J5.MP 322.72,12.27 v1(322.82,12.17) 322.59,11.94 J5.1 ; U14.3 231.88,70.87 C18.2 ; C19.2 198.59,51.87 U10.3 ; 264.91,14.71 264.39,14.19 J1.25 J1.26 J1.27 265.39,14.23 264.91,14.71 ; 264.91,14.71 264.89,14.69 ; U11.3 212.83,70.87 C17.2
  Bottom w0.8: 94.98,39.62 C8.2 ; C10.2 C11.2 400.17,43.41 ; C12.2 C13.2
  Bottom w1: 99.3,79.74 v1(97.78,78.21) v1(96.76,78.21) 98.29,79.74 99.3,79.74 ; 99.3,79.74 383.53,79.74 384.54,80.75 398.26,80.75 399.28,79.74 404.86,79.74 409.44,84.31 412.74,84.31 415.53,81.51 ; C7.2 v1(86.08,34.02) C6.2 ; 415.53,81.51 416.55,80.5 v1(416.55,80.24) v1(415.53,80.24) 415.53,81.51
  Bottom w1.2: J1.26 264.89,14.69